# Allegro board 6089-119-RevA_41.brd (continued)
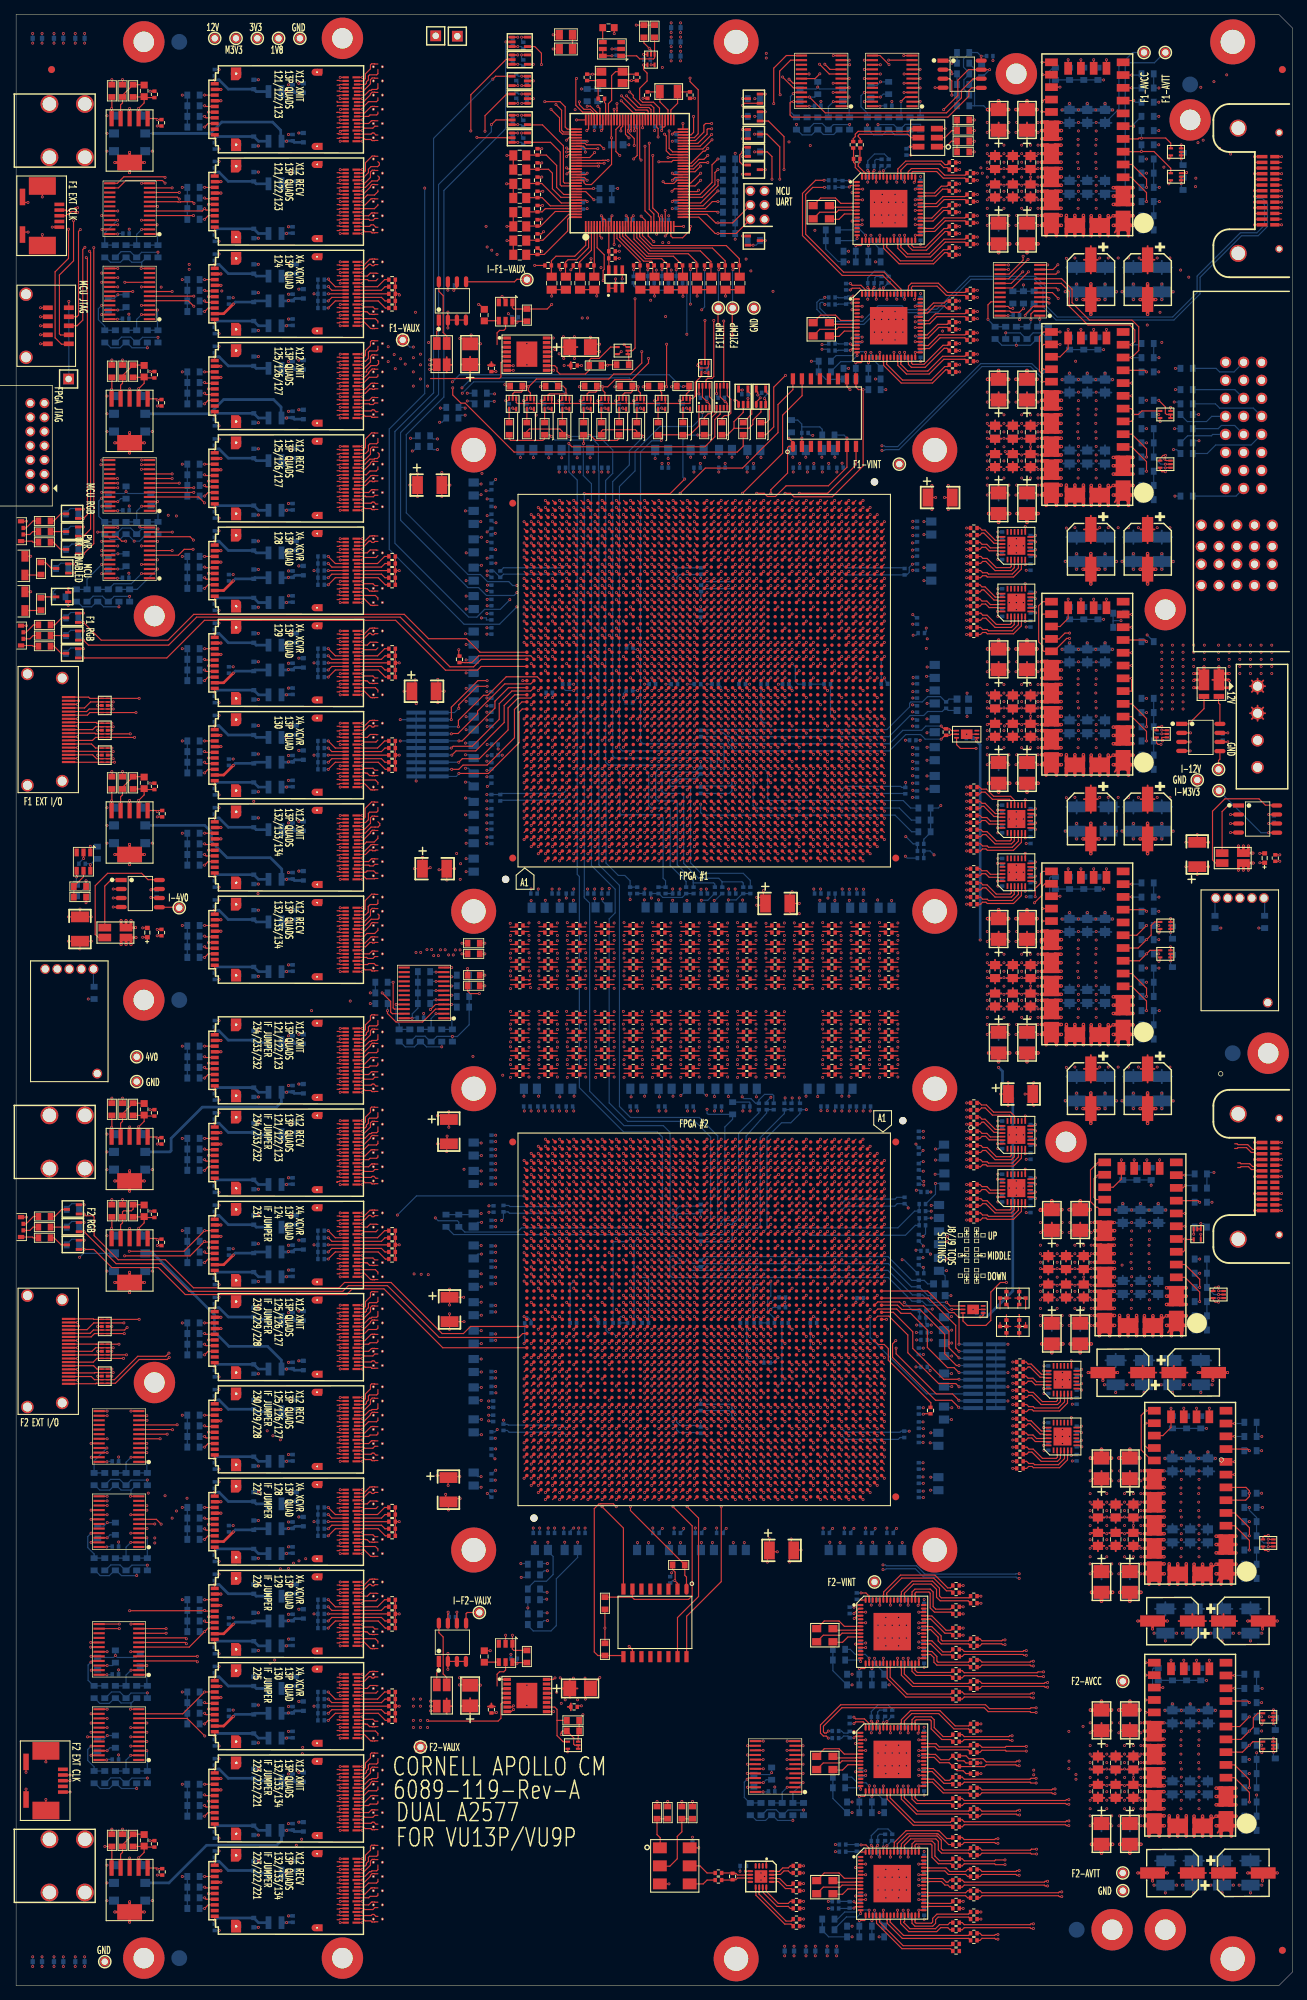
[diagram p0: board, top side]
## Routing (per net, layer and track width the routed paths; a pad name or vN(x,y) marks a point on that pad's centre or on a via; arc(x,y) is an arc through that point) (continued)
; VA86.4 51.63,54.52 ; VA86.4 51.96,55.22 ; VA86.4 52.05,55.09 ; VA86.4 51.96,54.58 ; VA86.4 52.05,54.71 ; VA86.4 52.02,54.9 ; VA86.4 51.63,55.28 ; 5.43,169.74 J5.21 ; J5.21 6.5,168.67 ; J5.21 6.5,170.8 ; J5.21 7.57,169.74 ; J5.21 7.31,170.54 ; J5.21 5.69,168.93 ; J5.21 7.31,168.93 ; J5.21 5.69,170.54 ; VA98.4 51.96,22.72 ; VA98.4 51.63,22.78 ; VA98.4 51.96,22.08 ; VA98.4 51.82,22.81 ; VA98.4 52.05,22.59 ; VA98.4 52.02,22.4 ; VA98.4 51.63,22.02 ; VA98.4 52.05,22.21 ; VA26.4 52.05,212.59 ; VA26.4 51.82,212.81 ; VA26.4 51.63,212.02 ; VA26.4 51.63,212.78 ; VA26.4 51.96,212.72 ; VA26.4 52.02,212.4 ; VA26.4 51.96,212.08 ; VA26.4 52.05,212.21 ; VA98.3 50.37,22.78 ; VA98.3 50.04,22.72 ; VA98.3 49.98,22.4 ; VA98.3 49.95,22.21 ; VA98.3 49.95,22.59 ; VA98.3 50.37,22.02 ; VA98.3 50.04,22.08 ; VA98.3 50.18,21.99 ; VA69.4 51.96,97.08 ; VA69.4 51.63,97.78 ; VA69.4 51.96,97.72 ; VA69.4 52.05,97.59 ; VA69.4 51.82,97.81 ; VA69.4 52.02,97.4 ; VA69.4 51.63,97.02 ; VA69.4 52.05,97.21 ; VA75.4 51.96,84.72 ; VA75.4 51.82,84.81 ; VA75.4 51.63,84.02 ; VA75.4 51.96,84.08 ; VA75.4 52.05,84.59 ; VA75.4 52.02,84.4 ; VA75.4 51.63,84.78 ; VA75.4 52.05,84.21 ; 49.98,9.4 VA104.3 ; VA104.3 50.04,9.08 ; VA104.3 50.18,8.99 ; VA104.3 50.04,9.72 ; VA104.3 49.95,9.59 ; VA104.3 49.95,9.21 ; VA104.3 50.37,9.02 ; VA104.3 50.37,9.78 ; U122.3 172.88,154.14 ; U122.3 171.83,152.6 ; U122.3 173.17,152.6 ; U122.3 173.17,153.94 ; U122.3 172.5,154.14 ; U122.3 172.5,152.39 ; U122.3 172.12,152.4 ; U122.3 171.83,153.94 ; VA58.4 52.05,126.59 ; VA58.4 51.63,126.78 ; VA58.4 52.02,126.4 ; VA58.4 52.05,126.21 ; VA58.4 51.96,126.72 ; VA58.4 51.82,126.81 ; VA58.4 51.63,126.02 ; VA58.4 51.96,126.08 ; 49.98,225.4 VA20.3 ; VA20.3 50.18,224.99 ; VA20.3 50.04,225.72 ; VA20.3 49.95,225.59 ; VA20.3 50.37,225.02 ; VA20.3 50.37,225.78 ; VA20.3 50.04,225.08 ; VA20.3 49.95,225.21 ; 176.33,203.54 P1.P2-1 ; P1.P2-1 177.81,202.06 ; P1.P2-1 176.33,202.06 ; P1.P2-1 177.07,203.78 ; P1.P2-1 176.09,202.8 ; P1.P2-1 177.81,203.54 ; P1.P2-1 177.07,201.82 ; P1.P2-1 178.05,202.8 ; VA54.4 51.96,134.08 ; VA54.4 52.02,134.4 ; VA54.4 52.05,134.59 ; VA54.4 51.63,134.78 ; VA54.4 52.05,134.21 ; VA54.4 51.96,134.72 ; VA54.4 51.82,134.81 ; VA54.4 51.63,134.02 ; VA46.4 52.05,156.21 ; VA46.4 51.96,156.08 ; VA46.4 51.63,156.78 ; VA46.4 51.63,156.02 ; VA46.4 52.05,156.59 ; VA46.4 51.96,156.72 ; VA46.4 51.82,156.81 ; VA46.4 52.02,156.4 ; 49.98,32.4 VA93.3 ; VA93.3 50.18,31.99 ; VA93.3 49.95,32.21 ; VA93.3 50.37,32.78 ; VA93.3 50.04,32.08 ; VA93.3 50.37,32.02 ; VA93.3 49.95,32.59 ; VA93.3 50.04,32.72 ; 49.98,266.4 VA3.3 ; VA3.3 50.37,266.78 ; VA3.3 50.37,266.02 ; VA3.3 50.18,265.99 ; VA3.3 50.04,266.72 ; VA3.3 49.95,266.59 ; VA3.3 49.95,266.21 ; VA3.3 50.04,266.08 ; 50.37,260.02 VA6.3 ; VA6.3 49.98,260.4 ; VA6.3 49.95,260.21 ; VA6.3 50.04,260.72 ; VA6.3 50.37,260.78 ; VA6.3 50.04,260.08 ; VA6.3 50.18,259.99 ; VA6.3 49.95,260.59 ; VA76.4 51.63,82.78 ; VA76.4 52.02,82.4 ; VA76.4 51.96,82.08 ; VA76.4 52.05,82.59 ; VA76.4 52.05,82.21 ; VA76.4 51.82,82.81 ; VA76.4 51.63,82.02 ; VA76.4 51.96,82.72 ; 50.37,233.52 VA16.4 ; VA16.4 50.04,234.22 ; VA16.4 49.95,234.09 ; VA16.4 49.98,233.9 ; VA16.4 50.37,234.28 ; VA16.4 50.04,233.58 ; VA16.4 50.18,233.49 ; VA16.4 49.95,233.71 ; 49.98,106.9 VA66.3 ; VA66.3 50.37,107.28 ; VA66.3 50.18,106.49 ; VA66.3 50.04,107.22 ; VA66.3 49.95,107.09 ; VA66.3 50.37,106.52 ; VA66.3 49.95,106.71 ; VA66.3 50.04,106.58 ; 51.63,242.52 VA13.4 ; VA13.4 51.96,242.58 ; VA13.4 51.82,243.31 ; VA13.4 52.05,243.09 ; VA13.4 52.05,242.71 ; VA13.4 52.02,242.9 ; VA13.4 51.96,243.22 ; VA13.4 51.63,243.28 ; VA89.4 52.05,44.09 ; VA89.4 51.82,44.31 ; VA89.4 51.96,44.22 ; VA89.4 52.05,43.71 ; VA89.4 51.63,44.28 ; VA89.4 52.02,43.9 ; VA89.4 51.96,43.58 ; VA89.4 51.63,43.52 ; 16.12,127.4 PM3.1 ; PM3.1 17.67,126.73 ; PM3.1 16.33,128.07 ; PM3.1 17.88,127.4 ; PM3.1 16.33,126.73 ; PM3.1 17.67,128.07 ; PM3.1 17,128.28 ; PM3.1 17,126.52 ; VA103.3 50.37,11.78 ; VA103.3 50.04,11.08 ; VA103.3 50.18,10.99 ; VA103.3 50.04,11.72 ; VA103.3 50.37,11.02 ; VA103.3 49.95,11.59 ; VA103.3 49.95,11.21 ; VA103.3 49.98,11.4 ; 49.98,13.4 VA102.3 ; VA102.3 49.95,13.21 ; VA102.3 50.04,13.72 ; VA102.3 50.04,13.08 ; VA102.3 49.95,13.59 ; VA102.3 50.37,13.02 ; VA102.3 50.37,13.78 ; VA102.3 50.18,12.99 ; 50.18,188.49 VA34.3 ; VA34.3 49.95,188.71 ; VA34.3 50.37,189.28 ; VA34.3 50.37,188.52 ; VA34.3 49.98,188.9 ; VA34.3 49.95,189.09 ; VA34.3 50.04,189.22 ; VA34.3 50.04,188.58 ; 50.18,155.99 VA46.3 ; VA46.3 49.95,156.21 ; VA46.3 49.95,156.59 ; VA46.3 50.04,156.72 ; VA46.3 50.37,156.02 ; VA46.3 50.04,156.08 ; VA46.3 49.98,156.4 ; VA46.3 50.37,156.78 ; 103.33,235.73 PM16.1 ; PM16.1 103.33,237.07 ; PM16.1 104,237.28 ; PM16.1 104.67,237.07 ; PM16.1 103.12,236.4 ; PM16.1 104.88,236.4 ; PM16.1 104,235.52 ; PM16.1 104.67,235.73 ; 49.98,164.4 VA42.3 ; VA42.3 50.18,163.99 ; VA42.3 50.37,164.78 ; VA42.3 50.37,164.02 ; VA42.3 50.04,164.08 ; VA42.3 50.04,164.72 ; VA42.3 49.95,164.59 ; VA42.3 49.95,164.21 ; 50.18,203.49 VA29.3 ; VA29.3 50.37,203.52 ; VA29.3 49.95,204.09 ; VA29.3 49.95,203.71 ; VA29.3 49.98,203.9 ; VA29.3 50.37,204.28 ; VA29.3 50.04,203.58 ; VA29.3 50.04,204.22 ; VA97.4 52.05,24.59 ; VA97.4 51.96,24.72 ; VA97.4 52.02,24.4 ; VA97.4 51.63,24.02 ; VA97.4 51.63,24.78 ; VA97.4 51.96,24.08 ; VA97.4 52.05,24.21 ; VA97.4 51.82,24.81 ; VA78.4 52.05,78.21 ; VA78.4 51.96,78.72 ; VA78.4 52.05,78.59 ; VA78.4 51.63,78.02 ; VA78.4 51.82,78.81 ; VA78.4 51.96,78.08 ; VA78.4 52.02,78.4 ; VA78.4 51.63,78.78 ; VA66.4 51.96,107.22 ; VA66.4 52.02,106.9 ; VA66.4 51.96,106.58 ; VA66.4 52.05,106.71 ; VA66.4 51.82,107.31 ; VA66.4 51.63,106.52 ; VA66.4 51.63,107.28 ; VA66.4 52.05,107.09 ; 171.33,205.06 P1.P2-6 ; P1.P2-6 172.07,206.78 ; P1.P2-6 172.07,204.82 ; P1.P2-6 171.09,205.8 ; P1.P2-6 172.81,205.06 ; P1.P2-6 173.05,205.8 ; P1.P2-6 172.81,206.54 ; P1.P2-6 171.33,206.54 ; VA102.4 52.02,13.4 ; VA102.4 51.63,13.78 ; VA102.4 51.82,13.81 ; VA102.4 52.05,13.21 ; VA102.4 52.05,13.59 ; VA102.4 51.96,13.72 ; VA102.4 51.96,13.08 ; VA102.4 51.63,13.02 ; VA60.4 51.96,121.08 ; VA60.4 51.63,121.78 ; VA60.4 52.02,121.4 ; VA60.4 51.63,121.02 ; VA60.4 52.05,121.59 ; VA60.4 51.82,121.81 ; VA60.4 51.96,121.72 ; VA60.4 52.05,121.21 ; 50.04,123.08 VA59.3 ; VA59.3 50.37,123.02 ; VA59.3 50.18,122.99 ; VA59.3 49.98,123.4 ; VA59.3 50.04,123.72 ; VA59.3 49.95,123.59 ; VA59.3 49.95,123.21 ; VA59.3 50.37,123.78 ; VA84.3 51.82,61.31 ; VA84.3 52.05,60.71 ; VA84.3 52.02,60.9 ; VA84.3 52.05,61.09 ; VA84.3 51.63,61.28 ; VA84.3 51.96,60.58 ; VA84.3 51.63,60.52 ; VA84.3 51.96,61.22 ; 3.62,214.13 J1.5 ; J1.5 3.33,214.33 ; J1.5 4,214.12 ; J1.5 4.67,215.67 ; J1.5 3.33,215.67 ; J1.5 4,215.88 ; J1.5 4.88,215 ; J1.5 4.67,214.33 ; 173.03,225.23 P1.15 ; P1.15 172.05,226.21 ; P1.15 173.77,226.95 ; P1.15 174.01,226.21 ; P1.15 172.29,225.47 ; P1.15 173.77,225.47 ; P1.15 172.29,226.95 ; P1.15 173.03,227.19 ; VA65.4 51.63,109.28 ; VA65.4 51.82,109.31 ; VA65.4 52.02,108.9 ; VA65.4 51.96,108.58 ; VA65.4 52.05,109.09 ; VA65.4 51.63,108.52 ; VA65.4 52.05,108.71 ; VA65.4 51.96,109.22 ; 51.63,190.52 VA33.4 ; VA33.4 51.82,191.31 ; VA33.4 52.05,191.09 ; VA33.4 51.63,191.28 ; VA33.4 52.02,190.9 ; VA33.4 52.05,190.71 ; VA33.4 51.96,190.58 ; VA33.4 51.96,191.22 ; 50.04,108.58 VA65.3 ; VA65.3 50.04,109.22 ; VA65.3 50.37,109.28 ; VA65.3 50.37,108.52 ; VA65.3 49.95,108.71 ; VA65.3 49.98,108.9 ; VA65.3 49.95,109.09 ; VA65.3 50.18,108.49 ; 50.18,23.99 VA97.3 ; VA97.3 49.95,24.21 ; VA97.3 49.98,24.4 ; VA97.3 50.04,24.72 ; VA97.3 50.37,24.78 ; VA97.3 49.95,24.59 ; VA97.3 50.04,24.08 ; VA97.3 50.37,24.02 ; VA57.4 51.63,128.78 ; VA57.4 52.05,128.59 ; VA57.4 51.96,128.72 ; VA57.4 51.63,128.02 ; VA57.4 51.82,128.81 ; VA57.4 51.96,128.08 ; VA57.4 52.05,128.21 ; VA57.4 52.02,128.4 ; 49.95,113.59 VA64.3 ; VA64.3 50.04,113.08 ; VA64.3 50.18,112.99 ; VA64.3 50.37,113.02 ; VA64.3 50.37,113.78 ; VA64.3 49.95,113.21 ; VA64.3 50.04,113.72 ; VA64.3 49.98,113.4 ; 49.95,216.59 VA24.3 ; VA24.3 50.37,216.02 ; VA24.3 49.95,216.21 ; VA24.3 50.04,216.08 ; VA24.3 50.37,216.78 ; VA24.3 50.18,215.99 ; VA24.3 49.98,216.4 ; VA24.3 50.04,216.72 ; 49.95,87.21 VA74.3 ; VA74.3 49.98,87.4 ; VA74.3 50.04,87.72 ; VA74.3 49.95,87.59 ; VA74.3 50.18,86.99 ; VA74.3 50.37,87.78 ; VA74.3 50.04,87.08 ; VA74.3 50.37,87.02 ; 51.63,19.02 VA99.4 ; VA99.4 51.82,19.81 ; VA99.4 51.63,19.78 ; VA99.4 51.96,19.08 ; VA99.4 52.02,19.4 ; VA99.4 51.96,19.72 ; VA99.4 52.05,19.59 ; VA99.4 52.05,19.21 ; VA47.4 51.96,153.72 ; VA47.4 52.05,153.59 ; VA47.4 51.63,153.78 ; VA47.4 51.63,153.02 ; VA47.4 51.96,153.08 ; VA47.4 52.05,153.21 ; VA47.4 51.82,153.81 ; VA47.4 52.02,153.4 ; J6.20 1.6,82.62 ; J6.20 1.15,80.51 ; J6.20 2.64,82 ; J6.20 2.66,81.55 ; J6.20 1.6,80.48 ; J6.20 2.4,80.75 ; J6.20 2.4,82.36 ; J6.20 2.05,82.6 ; J6.23 2.4,96.44 ; J6.23 1.6,96.18 ; J6.23 2.64,97.7 ; J6.23 1.6,98.32 ; J6.23 2.66,97.25 ; J6.23 2.4,98.05 ; J6.23 1.15,96.2 ; J6.23 2.05,98.29 ; VA92.3 52.05,35.09 ; VA92.3 52.05,34.71 ; VA92.3 51.82,35.31 ; VA92.3 51.63,35.28 ; VA92.3 51.63,34.52 ; VA92.3 52.02,34.9 ; VA92.3 51.96,34.58 ; VA92.3 51.96,35.22 ; 49.95,229.59 VA18.3 ; VA18.3 50.04,229.08 ; VA18.3 50.04,229.72 ; VA18.3 50.37,229.02 ; VA18.3 50.18,228.99 ; VA18.3 49.98,229.4 ; VA18.3 50.37,229.78 ; VA18.3 49.95,229.21 ; VA103.4 52.05,11.21 ; VA103.4 51.96,11.08 ; VA103.4 52.05,11.59 ; VA103.4 51.63,11.02 ; VA103.4 51.63,11.78 ; VA103.4 51.96,11.72 ; VA103.4 52.02,11.4 ; VA103.4 51.82,11.81 ; VA42.4 52.05,164.59 ; VA42.4 51.96,164.08 ; VA42.4 51.63,164.02 ; VA42.4 51.96,164.72 ; VA42.4 52.05,164.21 ; VA42.4 51.63,164.78 ; VA42.4 51.82,164.81 ; VA42.4 52.02,164.4 ; 50.37,242.52 VA13.3 ; VA13.3 49.95,242.71 ; VA13.3 50.18,242.49 ; VA13.3 50.04,242.58 ; VA13.3 49.98,242.9 ; VA13.3 50.04,243.22 ; VA13.3 49.95,243.09 ; VA13.3 50.37,243.28 ; 49.98,160.4 VA44.3 ; VA44.3 49.95,160.59 ; VA44.3 50.37,160.78 ; VA44.3 50.18,159.99 ; VA44.3 49.95,160.21 ; VA44.3 50.37,160.02 ; VA44.3 50.04,160.72 ; VA44.3 50.04,160.08 ; VA28.4 51.96,208.08 ; VA28.4 52.05,208.21 ; VA28.4 51.82,208.81 ; VA28.4 51.63,208.78 ; VA28.4 51.63,208.02 ; VA28.4 51.96,208.72 ; VA28.4 52.05,208.59 ; VA28.4 52.02,208.4 ; 6.5,81.07 J6.21 ; J6.21 7.31,81.33 ; J6.21 5.69,81.33 ; J6.21 6.5,83.2 ; J6.21 5.69,82.94 ; J6.21 7.57,82.14 ; J6.21 7.31,82.94 ; J6.21 5.43,82.14 ; 50.04,270.08 VA1.3 ; VA1.3 49.95,270.59 ; VA1.3 49.98,270.4 ; VA1.3 49.95,270.21 ; VA1.3 50.37,270.78 ; VA1.3 50.37,270.02 ; VA1.3 50.18,269.99 ; VA1.3 50.04,270.72 ; PM21.1 156.67,14.07 ; PM21.1 155.33,12.73 ; PM21.1 155.12,13.4 ; PM21.1 156,14.28 ; PM21.1 156,12.52 ; PM21.1 156.88,13.4 ; PM21.1 156.67,12.73 ; PM21.1 155.33,14.07 ; 51.63,216.02 VA24.4 ; VA24.4 51.82,216.81 ; VA24.4 52.02,216.4 ; VA24.4 52.05,216.59 ; VA24.4 51.96,216.08 ; VA24.4 51.96,216.72 ; VA24.4 52.05,216.21 ; VA24.4 51.63,216.78 ; VA27.4 52.05,210.21 ; VA27.4 52.02,210.4 ; VA27.4 51.96,210.72 ; VA27.4 51.63,210.02 ; VA27.4 51.63,210.78 ; VA27.4 51.96,210.08 ; VA27.4 52.05,210.59 ; VA27.4 51.82,210.81 ; VA67.3 52.05,102.09 ; VA67.3 51.96,101.58 ; VA67.3 51.96,102.22 ; VA67.3 51.63,102.28 ; VA67.3 52.02,101.9 ; VA67.3 52.05,101.71 ; VA67.3 51.82,102.31 ; VA67.3 51.63,101.52 ; VA8.4 51.96,255.72 ; VA8.4 51.63,255.02 ; VA8.4 51.96,255.08 ; VA8.4 52.05,255.21 ; VA8.4 51.82,255.81 ; VA8.4 52.02,255.4 ; VA8.4 52.05,255.59 ; VA8.4 51.63,255.78 ; 49.98,101.9 VA67.4 ; VA67.4 50.18,101.49 ; VA67.4 49.95,102.09 ; VA67.4 50.37,101.52 ; VA67.4 50.04,102.22 ; VA67.4 50.04,101.58 ; VA67.4 50.37,102.28 ; VA67.4 49.95,101.71 ; 49.98,41.9 VA90.3 ; VA90.3 50.04,41.58 ; VA90.3 50.04,42.22 ; VA90.3 49.95,41.71 ; VA90.3 49.95,42.09 ; VA90.3 50.37,41.52 ; VA90.3 50.37,42.28 ; VA90.3 50.18,41.49 ; 50.04,78.08 VA78.3 ; VA78.3 50.04,78.72 ; VA78.3 50.37,78.78 ; VA78.3 50.37,78.02 ; VA78.3 50.18,77.99 ; VA78.3 49.98,78.4 ; VA78.3 49.95,78.59 ; VA78.3 49.95,78.21 ; 3.62,218.13 J1.9 ; J1.9 4,219.88 ; J1.9 4.67,219.67 ; J1.9 4.88,219 ; J1.9 4,218.12 ; J1.9 4.67,218.33 ; J1.9 3.33,219.67 ; J1.9 3.33,218.33 ; 49.95,162.21 VA43.3 ; VA43.3 50.18,161.99 ; VA43.3 50.04,162.72 ; VA43.3 49.98,162.4 ; VA43.3 50.04,162.08 ; VA43.3 50.37,162.78 ; VA43.3 49.95,162.59 ; VA43.3 50.37,162.02 ; 49.95,43.71 VA89.3 ; VA89.3 49.95,44.09 ; VA89.3 50.37,44.28 ; VA89.3 50.18,43.49 ; VA89.3 49.98,43.9 ; VA89.3 50.37,43.52 ; VA89.3 50.04,44.22 ; VA89.3 50.04,43.58 ; VA14.4 51.63,241.28 ; VA14.4 51.96,241.22 ; VA14.4 52.05,241.09 ; VA14.4 51.63,240.52 ; VA14.4 51.82,241.31 ; VA14.4 52.05,240.71 ; VA14.4 52.02,240.9 ; VA14.4 51.96,240.58 ; VA32.3 51.63,195.28 ; VA32.3 52.05,195.09 ; VA32.3 51.63,194.52 ; VA32.3 52.02,194.9 ; VA32.3 51.96,194.58 ; VA32.3 52.05,194.71 ; VA32.3 51.96,195.22 ; VA32.3 51.82,195.31 ; VA82.4 52.02,67.9 ; VA82.4 51.96,68.22 ; VA82.4 51.96,67.58 ; VA82.4 51.63,67.52 ; VA82.4 52.05,68.09 ; VA82.4 52.05,67.71 ; VA82.4 51.82,68.31 ; VA82.4 51.63,68.28 ; 49.95,126.59 VA58.3 ; VA58.3 50.18,125.99 ; VA58.3 50.37,126.78 ; VA58.3 50.04,126.72 ; VA58.3 49.95,126.21 ; VA58.3 50.04,126.08 ; VA58.3 50.37,126.02 ; VA58.3 49.98,126.4 ; 49.95,178.09 VA37.3 ; VA37.3 50.04,177.58 ; VA37.3 50.37,177.52 ; VA37.3 50.04,178.22 ; VA37.3 50.37,178.28 ; VA37.3 49.98,177.9 ; VA37.3 49.95,177.71 ; VA37.3 50.18,177.49 ; VA17.4 51.82,231.81 ; VA17.4 51.63,231.02 ; VA17.4 52.05,231.59 ; VA17.4 52.02,231.4 ; VA17.4 51.96,231.72 ; VA17.4 51.96,231.08 ; VA17.4 52.05,231.21 ; VA17.4 51.63,231.78 ; VA94.4 52.05,30.21 ; VA94.4 51.96,30.08 ; VA94.4 51.96,30.72 ; VA94.4 51.82,30.81 ; VA94.4 51.63,30.78 ; VA94.4 51.63,30.02 ; VA94.4 52.02,30.4 ; VA94.4 52.05,30.59 ; 174.19,170.88 J10.4 ; J10.4 175.81,170.88 ; J10.4 174.19,172.49 ; J10.4 175.81,172.49 ; J10.4 176.07,171.69 ; J10.4 175,172.75 ; J10.4 173.93,171.69 ; J10.4 175,170.62 ; 50.37,69.52 VA81.3 ; VA81.3 50.04,70.22 ; VA81.3 49.95,69.71 ; VA81.3 49.98,69.9 ; VA81.3 50.04,69.58 ; VA81.3 50.18,69.49 ; VA81.3 50.37,70.28 ; VA81.3 49.95,70.09 ; VA19.4 51.96,227.72 ; VA19.4 52.02,227.4 ; VA19.4 52.05,227.21 ; VA19.4 51.63,227.78 ; VA19.4 52.05,227.59 ; VA19.4 51.96,227.08 ; VA19.4 51.82,227.81 ; VA19.4 51.63,227.02 ; VA73.4 52.02,89.4 ; VA73.4 51.63,89.02 ; VA73.4 52.05,89.59 ; VA73.4 51.96,89.72 ; VA73.4 51.63,89.78 ; VA73.4 52.05,89.21 ; VA73.4 51.82,89.81 ; VA73.4 51.96,89.08 ; 50.04,212.72 VA26.3 ; VA26.3 50.37,212.02 ; VA26.3 49.95,212.59 ; VA26.3 50.18,211.99 ; VA26.3 50.04,212.08 ; VA26.3 49.98,212.4 ; VA26.3 50.37,212.78 ; VA26.3 49.95,212.21 ; VA35.3 52.05,184.09 ; VA35.3 52.05,183.71 ; VA35.3 51.96,184.22 ; VA35.3 51.63,184.28 ; VA35.3 51.82,184.31 ; VA35.3 52.02,183.9 ; VA35.3 51.63,183.52 ; VA35.3 51.96,183.58 ; 49.98,268.4 VA2.3 ; VA2.3 49.95,268.21 ; VA2.3 50.04,268.72 ; VA2.3 50.18,267.99 ; VA2.3 50.37,268.78 ; VA2.3 49.95,268.59 ; VA2.3 50.37,268.02 ; VA2.3 50.04,268.08 ; 166.09,205.8 P1.P2-10 ; P1.P2-10 168.05,205.8 ; P1.P2-10 167.81,205.06 ; P1.P2-10 166.33,206.54 ; P1.P2-10 167.07,204.82 ; P1.P2-10 167.07,206.78 ; P1.P2-10 166.33,205.06 ; P1.P2-10 167.81,206.54 ; 172.29,220.39 P1.13 ; P1.13 174.01,221.13 ; P1.13 173.77,220.39 ; P1.13 173.03,222.11 ; P1.13 173.03,220.15 ; P1.13 172.29,221.87 ; P1.13 172.05,221.13 ; P1.13 173.77,221.87 ; 171.09,202.8 P1.P2-5 ; P1.P2-5 171.33,202.06 ; P1.P2-5 172.07,201.82 ; P1.P2-5 172.81,203.54 ; P1.P2-5 173.05,202.8 ; P1.P2-5 171.33,203.54 ; P1.P2-5 172.81,202.06 ; P1.P2-5 172.07,203.78 ; 51.63,80.02 VA77.4 ; VA77.4 51.82,80.81 ; VA77.4 51.96,80.08 ; VA77.4 52.05,80.59 ; VA77.4 51.63,80.78 ; VA77.4 51.96,80.72 ; VA77.4 52.05,80.21 ; VA77.4 52.02,80.4 ; VA37.4 52.05,177.71 ; VA37.4 51.63,177.52 ; VA37.4 51.96,178.22 ; VA37.4 51.82,178.31 ; VA37.4 51.63,178.28 ; VA37.4 51.96,177.58 ; VA37.4 52.02,177.9 ; VA37.4 52.05,178.09 ; 50.18,99.49 VA68.4 ; VA68.4 49.95,99.71 ; VA68.4 49.98,99.9 ; VA68.4 50.37,99.52 ; VA68.4 49.95,100.09 ; VA68.4 50.37,100.28 ; VA68.4 50.04,100.22 ; VA68.4 50.04,99.58 ; VA70.4 52.05,95.59 ; VA70.4 51.96,95.72 ; VA70.4 51.63,95.02 ; VA70.4 51.82,95.81 ; VA70.4 52.05,95.21 ; VA70.4 51.63,95.78 ; VA70.4 52.02,95.4 ; VA70.4 51.96,95.08 ; VA9.4 52.05,253.59 ; VA9.4 51.82,253.81 ; VA9.4 51.96,253.72 ; VA9.4 52.02,253.4 ; VA9.4 51.63,253.02 ; VA9.4 51.96,253.08 ; VA9.4 52.05,253.21 ; VA9.4 51.63,253.78 ; 50.18,94.99 VA70.3 ; VA70.3 50.04,95.08 ; VA70.3 50.04,95.72 ; VA70.3 49.98,95.4 ; VA70.3 49.95,95.21 ; VA70.3 50.37,95.02 ; VA70.3 49.95,95.59 ; VA70.3 50.37,95.78 ; 50.18,226.99 VA19.3 ; VA19.3 49.98,227.4 ; VA19.3 50.37,227.78 ; VA19.3 50.04,227.08 ; VA19.3 49.95,227.59 ; VA19.3 50.04,227.72 ; VA19.3 50.37,227.02 ; VA19.3 49.95,227.21 ; VA47.3 50.37,153.78 ; VA47.3 49.95,153.59 ; VA47.3 50.18,152.99 ; VA47.3 49.98,153.4 ; VA47.3 50.04,153.72 ; VA47.3 49.95,153.21 ; VA47.3 50.37,153.02 ; VA47.3 50.04,153.08 ; VA43.4 51.63,162.78 ; VA43.4 51.96,162.72 ; VA43.4 51.82,162.81 ; VA43.4 52.05,162.21 ; VA43.4 52.05,162.59 ; VA43.4 51.63,162.02 ; VA43.4 52.02,162.4 ; VA43.4 51.96,162.08 ; VA85.4 51.96,56.58 ; VA85.4 51.63,56.52 ; VA85.4 51.82,57.31 ; VA85.4 52.05,57.09 ; VA85.4 51.63,57.28 ; VA85.4 52.05,56.71 ; VA85.4 51.96,57.22 ; VA85.4 52.02,56.9 ; VA31.3 51.96,196.58 ; VA31.3 51.63,197.28 ; VA31.3 51.96,197.22 ; VA31.3 52.02,196.9 ; VA31.3 51.63,196.52 ; VA31.3 52.05,196.71 ; VA31.3 51.82,197.31 ; VA31.3 52.05,197.09 ; 173.03,212.53 P1.10 ; P1.10 172.29,214.25 ; P1.10 173.77,214.25 ; P1.10 172.05,213.51 ; P1.10 172.29,212.77 ; P1.10 173.03,214.49 ; P1.10 174.01,213.51 ; P1.10 173.77,212.77 ; VA74.4 51.82,87.81 ; VA74.4 52.05,87.59 ; VA74.4 51.63,87.78 ; VA74.4 51.63,87.02 ; VA74.4 52.05,87.21 ; VA74.4 51.96,87.08 ; VA74.4 51.96,87.72 ; VA74.4 52.02,87.4 ; 49.95,30.21 VA94.3 ; VA94.3 49.95,30.59 ; VA94.3 50.18,29.99 ; VA94.3 50.37,30.78 ; VA94.3 50.37,30.02 ; VA94.3 49.98,30.4 ; VA94.3 50.04,30.08 ; VA94.3 50.04,30.72 ; VA41.4 51.63,166.78 ; VA41.4 52.05,166.59 ; VA41.4 51.96,166.72 ; VA41.4 52.02,166.4 ; VA41.4 51.82,166.81 ; VA41.4 51.63,166.02 ; VA41.4 51.96,166.08 ; VA41.4 52.05,166.21 ; VA61.4 51.96,119.72 ; VA61.4 52.02,119.4 ; VA61.4 51.96,119.08 ; VA61.4 52.05,119.21 ; VA61.4 51.63,119.78 ; VA61.4 51.82,119.81 ; VA61.4 51.63,119.02 ; VA61.4 52.05,119.59 ; VA93.4 51.96,32.08 ; VA93.4 51.63,32.02 ; VA93.4 52.05,32.59 ; VA93.4 52.05,32.21 ; VA93.4 52.02,32.4 ; VA93.4 51.82,32.81 ; VA93.4 51.63,32.78 ; VA93.4 51.96,32.72 ; VA79.3 50.37,76.78 ; VA79.3 49.98,76.4 ; VA79.3 50.18,75.99 ; VA79.3 49.95,76.59 ; VA79.3 50.04,76.72 ; VA79.3 50.04,76.08 ; VA79.3 50.37,76.02 ; VA79.3 49.95,76.21 ; P1.P2-7 169.57,203.78 ; P1.P2-7 168.83,203.54 ; P1.P2-7 170.55,202.8 ; P1.P2-7 170.31,202.06 ; P1.P2-7 168.59,202.8 ; P1.P2-7 169.57,201.82 ; P1.P2-7 168.83,202.06 ; P1.P2-7 170.31,203.54 ; VA36.3 52.05,181.71 ; VA36.3 51.63,182.28 ; VA36.3 51.96,181.58 ; VA36.3 52.05,182.09 ; VA36.3 51.63,181.52 ; VA36.3 51.96,182.22 ; VA36.3 52.02,181.9 ; VA36.3 51.82,182.31 ; VA3.4 51.96,266.72 ; VA3.4 52.05,266.59 ; VA3.4 51.96,266.08 ; VA3.4 51.63,266.02 ; VA3.4 52.05,266.21 ; VA3.4 51.82,266.81 ; VA3.4 52.02,266.4 ; VA3.4 51.63,266.78 ; 50.37,56.52 VA85.3 ; VA85.3 49.98,56.9 ; VA85.3 50.04,56.58 ; VA85.3 50.18,56.49 ; VA85.3 49.95,57.09 ; VA85.3 50.37,57.28 ; VA85.3 50.04,57.22 ; VA85.3 49.95,56.71 ; 50.04,136.72 VA53.3 ; VA53.3 50.37,136.78 ; VA53.3 50.37,136.02 ; VA53.3 49.98,136.4 ; VA53.3 49.95,136.21 ; VA53.3 50.04,136.08 ; VA53.3 49.95,136.59 ; VA53.3 50.18,135.99 ; VA7.4 52.05,257.59 ; VA7.4 51.63,257.02 ; VA7.4 52.02,257.4 ; VA7.4 52.05,257.21 ; VA7.4 51.63,257.78 ; VA7.4 51.82,257.81 ; VA7.4 51.96,257.08 ; VA7.4 51.96,257.72 ; VA86.3 50.37,55.28 ; VA86.3 49.95,55.09 ; VA86.3 50.04,54.58 ; VA86.3 49.95,54.71 ; VA86.3 50.37,54.52 ; VA86.3 50.04,55.22 ; VA86.3 50.18,54.49 ; VA86.3 49.98,54.9 ; VA12.4 51.82,247.81 ; VA12.4 51.63,247.78 ; VA12.4 51.96,247.08 ; VA12.4 52.02,247.4 ; VA12.4 52.05,247.21 ; VA12.4 51.63,247.02 ; VA12.4 51.96,247.72 ; VA12.4 52.05,247.59 ; VA4.4 51.96,264.08 ; VA4.4 52.05,264.59 ; VA4.4 51.96,264.72 ; VA4.4 52.02,264.4 ; VA4.4 51.63,264.78 ; VA4.4 51.63,264.02 ; VA4.4 52.05,264.21 ; VA4.4 51.82,264.81 ; VA87.4 50.37,50.28 ; VA87.4 50.18,49.49 ; VA87.4 50.04,49.58 ; VA87.4 50.37,49.52 ; VA87.4 49.98,49.9 ; VA87.4 49.95,50.09 ; VA87.4 49.95,49.71 ; VA87.4 50.04,50.22 ; P1.P2-9 168.05,202.8 ; P1.P2-9 166.09,202.8 ; P1.P2-9 167.81,202.06 ; P1.P2-9 167.07,203.78 ; P1.P2-9 167.07,201.82 ; P1.P2-9 166.33,202.06 ; P1.P2-9 166.33,203.54 ; P1.P2-9 167.81,203.54 ; 49.95,194.71 VA32.4 ; VA32.4 50.18,194.49 ; VA32.4 50.37,195.28 ; VA32.4 49.95,195.09 ; VA32.4 50.04,195.22 ; VA32.4 50.37,194.52 ; VA32.4 49.98,194.9 ; VA32.4 50.04,194.58 ; VA34.4 52.02,188.9 ; VA34.4 52.05,189.09 ; VA34.4 51.96,188.58 ; VA34.4 51.96,189.22 ; VA34.4 51.63,189.28 ; VA34.4 51.82,189.31 ; VA34.4 51.63,188.52 ; VA34.4 52.05,188.71 ; 49.95,35.09 VA92.4 ; VA92.4 50.04,35.22 ; VA92.4 49.95,34.71 ; VA92.4 50.18,34.49 ; VA92.4 50.37,34.52 ; VA92.4 50.04,34.58 ; VA92.4 50.37,35.28 ; VA92.4 49.98,34.9 ; VA55.4 51.63,132.78 ; VA55.4 52.05,132.21 ; VA55.4 52.02,132.4 ; VA55.4 51.96,132.72 ; VA55.4 51.63,132.02 ; VA55.4 51.96,132.08 ; VA55.4 51.82,132.81 ; VA55.4 52.05,132.59 ; 49.95,235.71 VA15.4 ; VA15.4 50.04,235.58 ; VA15.4 50.37,236.28 ; VA15.4 49.98,235.9 ; VA15.4 50.37,235.52 ; VA15.4 50.04,236.22 ; VA15.4 49.95,236.09 ; VA15.4 50.18,235.49 ; VA91.3 51.63,37.28 ; VA91.3 51.82,37.31 ; VA91.3 52.02,36.9 ; VA91.3 52.05,36.71 ; VA91.3 51.63,36.52 ; VA91.3 51.96,36.58 ; VA91.3 51.96,37.22 ; VA91.3 52.05,37.09 ; 50.04,117.08 VA62.3 ; VA62.3 49.98,117.4 ; VA62.3 50.37,117.78 ; VA62.3 50.37,117.02 ; VA62.3 49.95,117.21 ; VA62.3 49.95,117.59 ; VA62.3 50.18,116.99 ; VA62.3 50.04,117.72 ; 49.98,28.4 VA95.3 ; VA95.3 50.37,28.02 ; VA95.3 50.18,27.99 ; VA95.3 49.95,28.59 ; VA95.3 50.04,28.72 ; VA95.3 50.37,28.78 ; VA95.3 50.04,28.08 ; VA95.3 49.95,28.21 ; VA77.3 50.37,80.78 ; VA77.3 49.95,80.21 ; VA77.3 50.37,80.02 ; VA77.3 49.98,80.4 ; VA77.3 49.95,80.59 ; VA77.3 50.04,80.72 ; VA77.3 50.18,79.99 ; VA77.3 50.04,80.08 ; J5.23 2.66,184.85 ; J5.23 2.64,185.3 ; J5.23 1.15,183.8 ; J5.23 2.05,185.89 ; J5.23 2.4,184.04 ; J5.23 2.4,185.65 ; J5.23 1.6,185.92 ; J5.23 1.6,183.78 ; VA56.4 51.96,130.08 ; VA56.4 52.05,130.59 ; VA56.4 52.02,130.4 ; VA56.4 51.63,130.02 ; VA56.4 51.96,130.72 ; VA56.4 51.82,130.81 ; VA56.4 52.05,130.21 ; VA56.4 51.63,130.78 ; J1.13 4.67,223.67 ; J1.13 4,222.12 ; J1.13 4.88,223 ; J1.13 3.33,223.67 ; J1.13 3.62,222.13 ; J1.13 3.33,222.33 ; J1.13 4,223.88 ; J1.13 4.67,222.33 ; VA22.3 50.37,221.78 ; VA22.3 50.04,221.08 ; VA22.3 49.95,221.59 ; VA22.3 50.37,221.02 ; VA22.3 49.95,221.21 ; VA22.3 49.98,221.4 ; VA22.3 50.04,221.72 ; VA22.3 50.18,220.99 ; 50.37,214.02 VA25.3 ; VA25.3 49.95,214.59 ; VA25.3 49.98,214.4 ; VA25.3 50.37,214.78 ; VA25.3 50.04,214.08 ; VA25.3 50.04,214.72 ; VA25.3 49.95,214.21 ; VA25.3 50.18,213.99